# Allegro board 038RT-9068CJK8E-A100_0921_1.brd (continued)
## Routing (per net, layer and track width the routed paths; a pad name or vN(x,y) marks a point on that pad's centre or on a via; arc(x,y) is an arc through that point) (continued)
SH01_P6_ISOLATEB: length 71.6
  L11_SIGNAL w0.105: K220.2 256.35,54.94 256.35,58.37 255.1,59.61 217.92,59.61 216.98,58.67 216.98,51.56 213.88,48.46 207.06,48.46 v2(206.48,47.88)
  BOTTOM w0.115: K220.2 256.45,52.27 256.45,49.41 257.62,48.24 RS104.2
SH01_P6_LANWAKEB: length 15.4
  L11_SIGNAL w0.105: K212.2 203.33,45.95 207.14,45.95 v2(207.75,45.34)
SH01_P6_PCIE_RESETB: length 71.3
  TOP w0.115: v2(203.56,44.07) 208.57,39.05 214.42,39.05 215.14,38.33 HOST1.14
  L11_SIGNAL w0.102: 223.28,45.72 222.28,44.73 214.35,44.73
  L11_SIGNAL w0.105: 223.28,45.72 223.83,46.28 228.71,46.28 229.5,47.07 244.77,47.07 246.31,48.6 246.31,53.71 247.26,54.66 250.42,54.66 K221.2 ; v2(203.56,44.07) 204.29,43.33 206.33,43.33 207.73,44.73 214.35,44.73
SH01_P6_REFCLK_100M+: length 172.4
  TOP w0.105: v2(221.25,48.82) 221.1,48.67 221.1,46.77 219.86,45.52 HOST1.61
  L03_SIGNAL w0.136: v1(224.1,196.15) 224.16,196.09 arc(224.21,196.06) 224.26,196.05 225.88,196.05 arc(226.14,196) 226.36,195.85 226.93,195.28 arc(227.08,195.06) 227.13,194.8 227.13,189.73 arc(227.14,189.66) 227.19,189.6 arc(227.38,189.31) 227.44,188.98 227.44,188.57 arc(227.39,188.28) 227.22,188.04 226.78,187.6 arc(226.73,187.53) 226.72,187.44 226.72,178.37 arc(226.73,178.28) 226.78,178.21 238.18,166.81 arc(238.32,166.59) 238.38,166.33 238.38,74.91 arc(238.32,74.65) 238.18,74.43 221.16,57.42 arc(221.11,57.35) 221.1,57.26 221.1,49.19 arc(221.14,48.99) v2(221.25,48.82)
  BOTTOM w0.105: K214.38 227.05,192.81 226.53,192.81 226.35,192.99 226.35,194.69 226.35,195.07 225.37,196.05 224.2,196.05 v1(224.1,196.15)
SH01_P6_REFCLK_100M-: length 172.4
  TOP w0.105: HOST1.62 219.46,45.78 220.64,46.96 220.64,48.67 v2(220.49,48.82)
  L03_SIGNAL w0.136: v1(224.1,195.49) 224.16,195.55 arc(224.21,195.59) 224.26,195.6 225.88,195.6 arc(225.97,195.58) 226.04,195.53 226.61,194.96 arc(226.66,194.89) 226.68,194.8 226.68,189.73 arc(226.73,189.49) 226.87,189.28 arc(226.96,189.14) 226.99,188.98 226.99,188.57 arc(226.97,188.46) 226.9,188.36 226.46,187.92 arc(226.32,187.7) 226.26,187.44 226.26,178.37 arc(226.32,178.11) 226.46,177.89 237.86,166.49 arc(237.91,166.42) 237.92,166.33 237.92,74.91 arc(237.91,74.83) 237.86,74.75 229.7,66.6 arc(229.61,66.54) 229.5,66.52 229.48,66.52 arc(229.33,66.49) 229.2,66.4 229.03,66.23 arc(228.94,66.1) 228.91,65.95 228.91,65.93 arc(228.89,65.82) 228.83,65.73 228.55,65.44 arc(228.46,65.38) 228.35,65.36 228.32,65.36 arc(228.18,65.33) 228.06,65.25 227.87,65.06 arc(227.79,64.94) 227.76,64.8 227.76,64.77 arc(227.74,64.67) 227.68,64.58 227.4,64.29 arc(227.31,64.23) 227.2,64.21 227.17,64.21 arc(227.04,64.18) 226.92,64.11 226.71,63.89 arc(226.64,63.78) 226.61,63.65 226.61,63.62 arc(226.59,63.51) 226.53,63.42 226.24,63.14 arc(226.15,63.08) 226.05,63.06 226.02,63.06 arc(225.83,63.02) 225.67,62.91 225.6,62.84 arc(225.49,62.68) 225.46,62.49 225.46,62.47 arc(225.43,62.36) 225.37,62.27 225.09,61.99 arc(225,61.92) 224.89,61.9 224.87,61.9 arc(224.7,61.87) 224.57,61.78 224.42,61.64 arc(224.33,61.5) 224.3,61.34 224.3,61.31 arc(224.28,61.21) 224.22,61.12 223.94,60.83 arc(223.85,60.77) 223.74,60.75 223.71,60.75 arc(223.56,60.72) 223.42,60.63 223.27,60.48 arc(223.18,60.34) 223.15,60.19 223.15,60.16 arc(223.13,60.05) 223.07,59.96 220.84,57.74 arc(220.7,57.52) 220.64,57.26 220.64,49.19 arc(220.6,48.99) v2(220.49,48.82)
  BOTTOM w0.105: v1(224.1,195.49) 224.2,195.59 225.17,195.59 225.88,194.88 225.88,192.8 226.34,192.34 227.05,192.34 K214.37
SH01_RSET: length 1.3
  TOP w0.115: v2(225.54,44.18) 224.89,43.53 HOST1.51
SH01_RST_INPIN: length 9.1
  TOP w0.115: HOST1.3 214.8,42.73 213.34,44.2 213.34,47.85 v2(211.85,49.33)
SH01_SJTCLK: length 49.5
  L05_SIGNAL w0.105: v2(211.56,47.88) 211.56,48.28 210.7,49.14 199.53,49.14 191.56,41.16 191.56,24.3 188.82,21.56 v2(188.82,16.9)
SH01_SJTDI: length 49.1
  L05_SIGNAL w0.105: v2(191.36,16.9) 194.45,19.99 194.45,42.67 200.25,48.47 210.57,48.47 210.93,48.1 210.93,45.97 v2(211.56,45.34)
SH01_SJTDO/LED0: length 38.3
  L05_SIGNAL w0.105: v2(209.02,45.34) 208.39,45.96 200.69,45.96 197.21,42.49 197.21,18.81 v2(196.44,18.03)
SH01_SJTMS: length 41.8
  L05_SIGNAL w0.105: v2(209.02,47.88) 208.42,47.28 200.57,47.28 196.06,42.76 196.06,19.06 v2(193.9,16.9)
SH01_SPICK: length 54.5
  TOP w0.115: v2(217.78,27.05) 216.44,28.4 216.44,33.58 217.46,34.6 HOST1.19 ; SPIH11.6 190.08,25.86 v2(190.09,25.85)
  L03_SIGNAL w0.145: v2(190.09,25.85) 191.57,25.85 191.92,25.5 191.92,24.73 191.49,24.29 189.33,24.29 188.99,23.95 188.99,23.41 189.3,23.1 194.19,23.1 197.15,20.14 213.67,20.14 217.78,24.26 v2(217.78,27.05)
SH01_SPICK_DBG: length 12.1
  BOTTOM w0.115: RH1192.2 224.38,18.73 223.74,19.37 221.2,19.37 217.78,22.79 RH119.1
SH01_SPICS: length 54.5
  TOP w0.115: HOST1.24 219.46,33.55 218.98,33.07 218.98,28.4 v2(220.32,27.05) ; SPIH11.1 192.63,47.49 v2(192.36,47.76)
  L03_SIGNAL w0.145: v2(192.36,47.76) 202.41,37.7 207.72,37.7 214.82,30.6 215.8,30.6 216.59,29.82 217.56,29.82 v2(220.32,27.05)
SH01_SPICS_DBG: length 14.2
  BOTTOM w0.115: RH1243.2 226.85,20.64 222.47,20.64 220.32,22.79 RH1241.1
SH01_SPIO2: length 54.5
  TOP w0.115: SPIH11.3 190.09,47.75 v2(190.09,47.76) ; v2(217.78,30.86) 217.07,31.57 217.07,33.45 218.26,34.64 HOST1.21
  L03_SIGNAL w0.145: v2(190.09,47.76) 191.14,48.81 194.68,48.81 197.22,46.27 197.22,44.84 200.17,41.89 213.07,41.89 215.73,39.24 215.73,37.93 217.23,36.44 217.23,33.94 216.83,33.54 216.83,31.82 v2(217.78,30.86)
SH01_SPIO3: length 54.5
  TOP w0.115: HOST1.22 218.66,34.27 217.78,33.4 v2(217.78,32.13) ; v2(191.36,21.09) 191.35,21.09 SPIH11.7
  L03_SIGNAL w0.145: v2(217.78,32.13) 220.95,28.97 220.95,25.74 214.32,19.12 196.7,19.12 193.6,22.22 191.9,22.22 191.36,21.67 v2(191.36,21.09)
SH01_SPISI: length 54.5
  TOP w0.115: HOST1.18 217.06,34.96 215.8,33.71 215.8,27.76 v2(216.51,27.05) ; SPIH11.5 188.81,25.86 v2(188.82,25.85)
  L03_SIGNAL w0.145: v2(216.51,27.05) 216.51,25.19 212.61,21.29 198.19,21.29 193.94,25.54 193.94,29.45 192.99,30.4 189.53,30.4 188.82,29.69 v2(188.82,25.85)
SH01_SPISI_DBG: length 10.4
  BOTTOM w0.115: RH118.1 216.51,22.79 221.26,18.03 RH1182.2
SH01_SPISO: length 54.5
  TOP w0.115: HOST1.23 219.06,33.91 218.41,33.27 218.41,27.69 v2(219.05,27.05) ; SPIH11.2 191.36,43.05 v2(191.35,43.06)
  L03_SIGNAL w0.145: v2(191.35,43.06) 193.14,43.06 193.84,42.35 193.84,40.53 191.19,37.87 191.19,36.4 192.21,35.38 206.43,35.38 213.34,28.47 217.63,28.47 v2(219.05,27.05)
SH01_SPISO_DBG: length 13
  BOTTOM w0.115: RH123.1 219.05,22.79 221.84,20 224.95,20 RH1232.2
SH01_SWR_5TO1_OUT: length 2.7
  TOP w0.3: v2(213.34,37.47) 213.4,37.53 HOST1.16
  vias: v2(212.07,37.47) v2(212.07,36.19) v2(213.34,36.19)
SH01_TESTENPIN: length 9.8
  TOP w0.115: HOST1.7 214.56,41.13 213.53,42.16 212.51,42.16 210.61,44.07 v2(210.29,44.07)
  BOTTOM w0.115: RH171.2 210.92,45.76 210.92,44.7 210.42,44.2 RH172.2
SH01_USB_AVDD10: length 33.5
  TOP w0.292: 225.23,37.53 HOST1.36
  TOP w0.3: HOST1.50 225.32,43.13 v2(225.54,42.91) ; v2(225.54,39.48) 225.19,39.13 HOST1.40
  TOP w0.381: 225.5,37.53 225.23,37.53
  TOP w0.508: 225.5,37.53 226.82,37.53 227.32,38.03 227.32,38.79 227.83,39.3 v2(228.18,39.3) 228.32,39.43 230.34,39.43 240.41,29.36 240.41,22.51 242.16,20.77 SH01_USB_AVDD10.1
SH01_XTAL_IN: length 6.4
  TOP w0.115: v2(226.22,47.5) 224.83,46.1 223.88,46.1 223.06,45.28 HOST1.53
  BOTTOM w0.115: YH11.3 226.22,48.29 v2(226.22,47.5)
SH01_XTAL_OUT: length 9.4
  TOP w0.115: HOST1.54 222.66,45.64 223.75,46.74 224.43,46.74 v2(225.19,47.5)
  BOTTOM w0.115: v2(225.19,47.5) 225.19,47.76 224.82,48.13 223.93,48.13 223.42,48.64 223.42,49.15 224.45,50.18 YH11.1
SH02_C_HSO+: length 4.1
  TOP w0.14: HOST2.68 279.07,44.56 279.07,45.12 277.74,46.44 277.74,47.62
  TOP w0.15: CH268.2 277.6,47.76 277.74,47.62
SH02_C_HSO-: length 4.1
  TOP w0.14: 278.13,47.62 278.13,46.6 279.46,45.28 279.46,44.55 HOST2.67
  TOP w0.15: 278.13,47.62 278.27,47.76 CH267.2
SH02_C_P7_HSI+: length 5.2
  BOTTOM w0.14: K213.29 249.22,188.27 247.89,188.27 247.64,188.02 244.68,188.02 244.54,188.16 CS114.1
SH02_C_P7_HSI-: length 5.2
  BOTTOM w0.14: CS113.1 244.54,187.49 244.68,187.63 247.8,187.63 248.05,187.88 249.22,187.88 K213.28
SH02_CC1: length 7.2
  TOP w0.115: HOST2.30 283.86,35.37 284.74,34.49 286.83,34.49 288.52,32.8 v2(288.52,32.11)
SH02_CC2: length 7.3
  TOP w0.115: v2(289.79,32.11) 289.79,32.29 287.05,35.03 284.96,35.03 284.66,35.32 HOST2.32
SH02_D_GPIO_VBUS: length 13.5
  TOP w0.115: HOST2.28 283.06,33.29 283.36,33 283.36,29.69 286,27.05 v2(286.65,27.05)
  L40_SIGNAL w0.105: v2(286.65,24.51) v2(286.65,27.05)
SH02_D_SJTCLK: length 7.6
  TOP w0.115: v2(273.57,46.61) 274.08,46.61 274.71,45.97 274.71,43.88 275.41,43.18 275.79,43.18 277.04,41.93 HOST2.5
SH02_D_SJTDI: length 5.5
  TOP w0.115: v2(273.57,44.07) 274.97,42.67 275.66,42.67 276.81,41.53 HOST2.6
SH02_D_SJTDO: length 8.8
  TOP w0.115: HOST2.9 277.43,40.33 277.38,40.39 276.05,40.39 275.28,41.15 273.63,41.15 271.03,43.75 v2(271.03,44.07)
SH02_D_SJTMS: length 10.6
  TOP w0.115: v2(271.03,46.61) 271.72,45.92 271.72,43.92 273.99,41.66 275.41,41.66 276.34,40.73 HOST2.8
SH02_DEV_SLP: length 15.3
  BOTTOM w0.115: RH2263.2 290.77,21.27 285.43,21.27 284.36,22.34 284.36,25.15 RH2262.2
SH02_DIS_DB: length 1.3
  TOP w0.115: HOST2.29 283.46,36.88 v2(283.12,37.22)
SH2_DPS_5V0: length 55.7
  TOP w0.254: UNK2HOST1.33 283.46,439.37 283.62,439.22 283.99,439.22 v2(284.26,438.95) ; v2(222.25,438.95) 221.98,439.22 221.61,439.22 221.45,439.37 UNK2HOST2.33
  TOP w0.3: UNK2HOST1.31 v2(284.26,438.95) ; UNK2HOST1.17 290.57,439.04 290.78,439.26 290.78,439.77 v2(290.57,439.98) ; UNK2HOST1.17 290.48,439.88 v2(290.57,439.98) ; UNK2HOST1.17 290.38,439.04 290.17,439.26 290.17,439.68 290.47,439.98 v2(290.57,439.98) ; UNK2HOST2.17 228.56,439.04 228.77,439.26 228.77,439.77 v2(228.56,439.98) ; UNK2HOST2.17 228.47,439.88 v2(228.56,439.98) ; UNK2HOST2.17 228.37,439.04 228.16,439.26 228.16,439.68 228.46,439.98 v2(228.56,439.98) ; UNK2HOST2.31 v2(222.25,438.95)
  TOP w0.508: SH22_DPS_5V0.1 220.11,455.85 218.3,454.04 218.3,448.84 220.83,446.32 220.83,444.9 v2(221.66,444.06) ; v2(283.67,444.06) 282.84,444.9 282.84,446.32 280.31,448.84 280.31,454.04 282.12,455.85 SH21_DPS_5V0.1
  vias: v2(229.38,442.98) v2(229.38,442.21) v2(260.94,458.97) v2(260.94,457.95) v2(261.96,458.97) v2(261.96,457.95) v2(291.39,442.98) v2(291.39,442.21)
SH02_GPIO8: length 35.1
  L05_SIGNAL w0.105: v2(257.17,18.03) 257.17,39.25 262.59,44.67 267.82,44.67 v2(268.49,45.34)
SH02_GPIO_VBUS: length 18.7
  L05_SIGNAL w0.105: v2(286.65,25.78) 278.89,25.78 v2(271.14,18.03)
SH02_ISOLATEBPIN: length 14
  TOP w0.115: HOST2.12 277.36,39.13 276.81,39.69 275.47,39.69 275.03,40.13 272.74,40.13 269.16,43.72 269.16,45.94 v2(268.49,46.61)
SH02_L_SWR_5TO1_OUT: length 29.1
  TOP w0.203: v2(276.89,45.34) 276.63,45.34 276.26,44.97 276.26,43.99 277.12,43.13 HOST2.2
  TOP w0.3: HOST2.25 v2(281.86,37.22) ; v2(287.55,36.69) 287.19,36.69 286.75,37.13 HOST2.35 ; HOST2.60 282.26,45.27 282.59,45.59 v2(282.84,45.59) ; HOST2.55 284.26,45.31 v2(283.98,45.59) ; v2(281.32,46.35) 281.06,46.1 HOST2.63 ; HOST2.11 v2(279.16,39.53)
  TOP w0.508: SH02_L_SWR_5TO1_OUT.1 258.8,36.68 263.62,41.5 265.86,41.5 v2(266.86,40.5)
  BOTTOM w0.292: CH2352.1 v2(287.55,36.69)
  BOTTOM w0.508: CH2602.1 282.6,45.83 v2(282.84,45.59) ; CH2552.1 283.84,45.73 v2(283.98,45.59)
  vias: v2(266.86,39.74) v2(276.36,27.5) v2(281.94,55.25) v2(281.94,54.48) v2(290.79,34.54) v2(298.85,45.5) v2(300.12,45.5) v2(301.39,45.5)
SH02_LANWAKEB: length 13.9
  TOP w0.115: v2(269.76,44.07) 270.27,43.56 273.19,40.64 275.16,40.64 275.79,40 277.24,40 277.32,39.93 HOST2.10
  BOTTOM w0.115: RH2103.2 269.12,45.76 269.12,44.7 268.62,44.2 ; 268.62,44.2 RH2102.2 ; 268.62,44.2 RH2101.2
SH02_LDO_5TO3_OUT: length 21.8
  TOP w0.203: v2(276.89,44.2) 277.55,43.53 HOST2.1
  TOP w0.3: v2(287.55,38.34) 287.55,38.43 287.25,38.73 HOST2.39 ; HOST2.52 v2(285.46,43.44) ; HOST2.20 v2(279.86,37.22) ; HOST2.4 v2(279.16,42.33) ; HOST2.34 285.46,37.17 v2(285.41,37.22)
  TOP w0.508: SH02_LDO_5TO3_OUT.1 271.14,20.96 274.04,23.85 274.04,30.36 274.4,30.72 275.36,30.72 v2(276.36,29.72)
  BOTTOM w0.508: CH252.1 v2(285.46,43.44)
  vias: v2(263.41,44.07) v2(264.17,44.07) v2(265.57,45.34) v2(267.09,45.34) v2(269.76,47.88) v2(272.3,47.88) v2(273.86,50.76) v2(277.49,53.34) v2(283.6,23.24) v2(285.13,23.24) v2(286.65,23.24) v2(286.88,32.11) v2(290.79,36.57)
SH02_LED1: length 16.3
  BOTTOM w0.115: RH2272.2 285.89,25.15 285.89,22.4 286.38,21.91 292.67,21.91 RH2273.2
SH02_P7_CLKREQB: length 102.3
  TOP w0.115: v2(267.09,44.07) 271.54,39.62 274.97,39.62 275.22,39.37 276.62,39.37 277.26,38.73 HOST2.13
  L11_SIGNAL w0.102: 225.78,42.37 223.24,42.37 222.01,43.6 216.91,43.6 216.08,42.77
  L11_SIGNAL w0.105: 216.08,42.77 200.01,42.77 193.73,49.06 188.92,49.06 187.74,50.23 187.74,52.13 K211.7 ; v2(267.09,44.07) 266.18,43.15 260.41,43.15 259.29,42.04 249.39,42.04 247.88,43.54 230.18,43.54 229.01,42.37 225.78,42.37
SH02_P7_HSI+: length 160.9
  TOP w0.14: v1(243.53,188.41) 243.74,188.2 arc(243.94,188.07) 244.19,188.02 244.56,188.02 arc(244.69,187.99) 244.8,187.92 arc(244.97,187.8) 245.17,187.76 247.08,187.76 arc(247.35,187.71) 247.58,187.56 248.85,186.29 arc(249,186.06) 249.06,185.79 249.06,177.15 arc(249.08,177.03) 249.15,176.93 266.19,159.88 266.52,159.75 266.52,73.88 arc(266.74,72.75) 267.37,71.8 279.48,59.69 arc(279.64,59.46) 279.69,59.2 279.69,51.84 arc(279.71,51.72) 279.78,51.62 280.45,50.95 arc(280.61,50.72) 280.66,50.45 280.66,44.56 HOST2.64
SH02_P7_HSI-: length 160.7
  TOP w0.14: HOST2.65 280.27,44.56 280.27,50.45 arc(280.25,50.57) 280.18,50.67 279.5,51.35 arc(279.35,51.58) 279.3,51.84 279.3,59.2 arc(279.28,59.32) 279.21,59.42 276.33,62.29 arc(276.23,62.36) 276.12,62.38 276.09,62.38 arc(275.94,62.41) 275.82,62.49 arc(275.74,62.62) 275.71,62.76 275.71,62.79 arc(275.69,62.91) 275.62,63 275.54,63.09 arc(275.44,63.15) 275.33,63.17 275.3,63.17 arc(275.15,63.2) 275.03,63.29 arc(274.95,63.41) 274.92,63.56 274.92,63.58 arc(274.89,63.7) 274.83,63.79 274.75,63.88 arc(274.65,63.94) 274.53,63.97 274.51,63.97 arc(274.37,63.99) 274.25,64.07 274.23,64.09 arc(274.15,64.21) 274.12,64.35 274.12,64.38 arc(274.1,64.49) 274.04,64.59 273.95,64.67 arc(273.86,64.73) 273.74,64.76 273.71,64.76 arc(273.58,64.78) 273.46,64.86 273.44,64.88 arc(273.36,65) 273.33,65.14 273.33,65.17 arc(273.31,65.28) 273.25,65.38 273.16,65.46 arc(273.07,65.53) 272.95,65.55 272.92,65.55 arc(272.78,65.58) 272.65,65.66 arc(272.57,65.79) 272.54,65.93 272.54,65.96 arc(272.52,66.07) 272.45,66.17 267.1,71.53 arc(266.38,72.6) 266.13,73.88 266.13,159.27 arc(266.1,159.39) 266.03,159.49 248.87,176.65 arc(248.72,176.88) 248.67,177.15 248.67,185.79 arc(248.64,185.91) 248.58,186.01 247.3,187.28 arc(247.2,187.35) 247.08,187.37 244.99,187.37 arc(244.81,187.41) 244.66,187.51 arc(244.53,187.6) 244.38,187.63 244.19,187.63 arc(243.94,187.58) 243.74,187.44 v1(243.53,187.24)
SH02_P7_HSO+: length 154.3
  TOP w0.14: v1(246.31,185.49) 246.39,185.57 arc(246.45,185.61) 246.53,185.63 246.75,185.63 arc(246.87,185.58) 246.91,185.46 246.91,176.42 arc(246.97,176.15) 247.12,175.93 264.13,158.92 arc(264.2,158.81) 264.22,158.7 264.22,71.45 arc(264.46,70.24) 265.15,69.21 270.85,63.51 arc(270.91,63.41) 270.94,63.3 270.94,63.27 arc(270.97,63.12) 271.05,63 271.05,63 arc(271.17,62.91) 271.32,62.89 271.35,62.89 arc(271.46,62.86) 271.56,62.8 271.64,62.71 arc(271.71,62.62) 271.73,62.5 271.73,62.48 arc(271.76,62.34) 271.84,62.22 271.86,62.2 arc(271.97,62.12) 272.11,62.09 272.14,62.09 arc(272.25,62.07) 272.35,62.01 272.43,61.92 arc(272.5,61.83) 272.52,61.71 272.52,61.68 arc(272.55,61.54) 272.63,61.42 272.64,61.41 arc(272.76,61.33) 272.9,61.3 272.93,61.3 arc(273.05,61.28) 273.14,61.21 273.23,61.13 arc(273.29,61.03) 273.31,60.92 273.31,60.89 arc(273.34,60.75) 273.43,60.62 arc(273.55,60.54) 273.7,60.51 273.72,60.51 arc(273.84,60.49) 273.94,60.42 274.02,60.34 arc(274.08,60.24) 274.11,60.13 274.11,60.1 arc(274.13,59.95) 274.22,59.83 arc(274.34,59.75) 274.49,59.72 274.52,59.72 arc(274.63,59.69) 274.73,59.63 274.97,59.39 arc(275.03,59.29) 275.06,59.17 275.06,53.14 arc(275.11,52.87) 275.26,52.64 277.65,50.25 arc(277.72,50.15) 277.74,50.03 277.74,49.39 arc(277.7,49.16) 277.57,48.96 CH268.1
  BOTTOM w0.14: v1(246.31,185.49) 246.45,185.63 246.93,185.63 248.18,186.88 249.22,186.88 K213.26
SH02_P7_HSO-: length 154.3
  TOP w0.14: v1(246.31,186.15) 246.39,186.08 arc(246.45,186.03) 246.53,186.02 246.75,186.02 arc(247.14,185.85) 247.3,185.46 247.3,176.42 arc(247.33,176.3) 247.39,176.2 264.4,159.19 arc(264.56,158.96) 264.61,158.7 264.61,71.45 arc(264.82,70.39) 265.42,69.48 275.24,59.67 arc(275.39,59.44) 275.45,59.17 275.45,53.14 arc(275.47,53.02) 275.54,52.92 277.93,50.53 arc(278.08,50.3) 278.13,50.03 278.13,49.39 arc(278.18,49.16) 278.31,48.96 CH267.1
  BOTTOM w0.14: v1(246.31,186.15) 246.45,186.02 246.76,186.02 248.01,187.27 249.22,187.27 K213.27
SH02_P7_ISOLATEB: length 24.4
  L11_SIGNAL w0.105: v2(268.49,47.88) 268.36,48.01 260.4,48.01 259.25,49.16 256.36,49.16 255.91,49.62 255.91,52.18 K220.7
  BOTTOM w0.115: K220.7 255.84,52.25 255.84,48.9 256.49,48.24 RS114.2
SH02_P7_LANWAKEB: length 95.3
  L11_SIGNAL w0.105: v2(269.76,45.34) 269.12,45.97 269.12,48.69 268.92,48.9 265.79,48.9 263.43,51.26 263.43,59.74 262.62,60.55 195.55,60.55 194.18,59.19 194.18,55.22 K212.7
SH02_P7_PCIE_RESETB: length 38.7
  TOP w0.115: HOST2.14 277.15,38.33 276.43,39.05 270.58,39.05 v2(265.57,44.07)
  L11_SIGNAL w0.105: K221.7 249.86,52.02 249.86,47.37 250.69,46.54 257.88,46.54 259.83,44.6 265.03,44.6 v2(265.57,44.07)
SH02_P7_REFCLK_100M+: length 200
  TOP w0.105: HOST2.61 281.86,45.52 283.11,46.77 283.11,48.67 v2(283.26,48.82)
  L03_SIGNAL w0.136: v1(222.32,194.15) 222.38,194.09 arc(222.43,194.06) 222.49,194.05 222.71,194.05 222.78,194.12 222.78,194.46 arc(222.76,194.55) 222.71,194.62 222.22,195.12 arc(222.07,195.34) 222.02,195.6 222.02,196.86 arc(222.07,197.12) 222.22,197.34 223.15,198.28 arc(223.37,198.42) 223.63,198.47 229.3,198.47 arc(229.56,198.42) 229.78,198.28 230.99,197.07 arc(231.14,196.85) 231.19,196.59 231.19,184.78 arc(231.21,184.69) 231.26,184.61 arc(231.44,184.34) 231.5,184.04 231.5,182.15 arc(231.51,182.07) 231.56,181.99 243.08,170.48 arc(243.15,170.43) 243.24,170.41 253.03,170.41 arc(253.29,170.36) 253.51,170.21 264.41,159.31 arc(264.56,159.09) 264.61,158.83 264.61,80.72 arc(264.63,80.63) 264.68,80.56 275.39,69.85 arc(275.53,69.63) 275.59,69.37 275.59,64.97 arc(275.6,64.91) 275.63,64.87 282.73,57.76 arc(283.02,57.33) 283.12,56.81 283.12,49.22 arc(283.12,49.19) 283.12,49.15 arc(283.12,49.15) 283.12,49.15 arc(283.13,49.08) 283.14,49.01 v2(283.26,48.82)
  BOTTOM w0.105: v1(222.32,194.15) 222.42,194.05 223.98,194.05 226.23,191.81 227.05,191.81 K214.36
SH02_P7_REFCLK_100M-: length 200
  TOP w0.105: v2(282.5,48.82) 282.65,48.67 282.65,46.96 281.46,45.78 HOST2.62
  L03_SIGNAL w0.136: v1(222.32,193.49) 222.38,193.55 arc(222.43,193.59) 222.49,193.6 222.74,193.6 arc(222.89,193.62) 223.01,193.71 223.13,193.83 arc(223.2,193.94) 223.23,194.08 223.23,194.46 arc(223.18,194.72) 223.03,194.94 222.54,195.44 arc(222.49,195.51) 222.47,195.6 222.47,196.86 arc(222.49,196.95) 222.54,197.02 223.47,197.96 arc(223.54,198.01) 223.63,198.02 229.3,198.02 arc(229.39,198.01) 229.46,197.96 230.67,196.75 arc(230.72,196.67) 230.74,196.59 230.74,184.63 arc(230.76,184.51) 230.83,184.4 230.94,184.29 arc(231.02,184.18) 231.05,184.04 231.04,182.15 arc(231.1,181.89) 231.24,181.67 242.76,170.16 arc(242.98,170.01) 243.24,169.96 253.03,169.96 arc(253.12,169.94) 253.19,169.89 264.09,158.99 arc(264.14,158.91) 264.16,158.83 264.16,80.72 arc(264.21,80.46) 264.36,80.24 269.31,75.29 arc(269.37,75.2) 269.39,75.09 269.39,75.07 arc(269.42,74.93) 269.5,74.81 269.51,74.8 arc(269.62,74.72) 269.76,74.69 269.79,74.69 arc(269.89,74.67) 269.98,74.61 270.08,74.52 arc(270.14,74.43) 270.16,74.32 270.16,74.3 arc(270.18,74.18) 270.25,74.08 270.32,74.01 arc(270.41,73.95) 270.53,73.93 270.56,73.93 arc(270.66,73.9) 270.75,73.84 270.85,73.75 arc(270.91,73.66) 270.93,73.55 270.93,73.53 arc(271.04,73.26) 271.3,73.16 271.33,73.16 arc(271.43,73.13) 271.52,73.08 271.62,72.98 arc(271.68,72.89) 271.7,72.78 271.7,72.76 arc(271.72,72.63) 271.8,72.52 271.83,72.49 arc(271.94,72.41) 272.07,72.39 272.1,72.39 arc(272.2,72.37) 272.29,72.31 272.39,72.21 arc(272.45,72.12) 272.47,72.02 272.47,71.99 arc(272.49,71.85) 272.57,71.73 272.58,71.72 arc(272.7,71.65) 272.84,71.62 272.86,71.62 arc(272.97,71.6) 273.06,71.54 273.15,71.44 arc(273.21,71.35) 273.24,71.25 273.24,71.22 arc(273.26,71.08) 273.34,70.96 arc(273.47,70.88) 273.61,70.85 273.63,70.85 arc(273.74,70.83) 273.83,70.77 275.07,69.53 arc(275.12,69.46) 275.13,69.37 275.13,64.97 arc(275.18,64.74) 275.31,64.55 282.41,57.44 arc(282.6,57.16) 282.67,56.82 282.67,49.22 arc(282.66,49.13) 282.64,49.04 282.51,48.83 v2(282.5,48.82)
  BOTTOM w0.105: v1(222.32,193.49) 222.42,193.59 223.79,193.59 226.04,191.34 227.05,191.34 K214.35
SH02_RSET: length 1.3
  TOP w0.115: v2(287.55,44.18) 286.9,43.53 HOST2.51
SH02_RST_INPIN: length 9.1
  TOP w0.115: v2(273.86,49.33) 275.35,47.85 275.35,44.2 276.81,42.73 HOST2.3
SH02_SJTCLK: length 51.3
  L05_SIGNAL w0.102: 272.76,49.13 273.57,48.32 v2(273.57,47.88)
  L05_SIGNAL w0.105: v2(247.01,16.9) 247.01,34.97 261.17,49.13 272.76,49.13
SH02_SJTDI: length 50.7
  L05_SIGNAL w0.105: v2(249.55,16.9) 249.55,35.67 262.36,48.47 272.64,48.47 272.93,48.17 272.93,45.97 v2(273.57,45.34)
SH02_SJTDO/LED0: length 39.9
  L05_SIGNAL w0.105: v2(271.03,45.34) 270.42,45.95 262.59,45.95 255.79,39.15 255.79,19.19 v2(254.63,18.03)
SH02_SJTMS: length 43.5
  L05_SIGNAL w0.105: v2(271.03,47.88) 270.4,47.25 262.47,47.25 253.96,38.73 253.96,25.06 252.09,23.2 v2(252.09,16.9)
SH02_SPICK: length 54.5
  TOP w0.115: SPIH21.6 252.09,25.86 v2(252.1,25.85) ; v2(279.79,27.05) 278.45,28.4 278.45,33.58 279.46,34.6 HOST2.19
  L03_SIGNAL w0.145: v2(252.1,25.85) 253.58,25.85 253.93,25.5 253.93,24.73 253.49,24.29 251.34,24.29 251,23.95 251,23.41 251.31,23.1 256.2,23.1 259.15,20.14 275.68,20.14 279.79,24.26 v2(279.79,27.05)
SH02_SPICK_DBG: length 12.1
  BOTTOM w0.115: RH219.1 279.79,22.79 283.21,19.37 285.75,19.37 286.38,18.73 RH2192.2
SH02_SPICS: length 54.5
  TOP w0.115: v2(282.33,27.05) 280.99,28.4 280.99,33.07 281.46,33.55 HOST2.24 ; v2(254.36,47.76) 254.64,47.49 SPIH21.1
  L03_SIGNAL w0.145: v2(282.33,27.05) 279.57,29.82 278.6,29.82 277.81,30.6 276.83,30.6 269.73,37.7 264.42,37.7 v2(254.36,47.76)
SH02_SPICS_DBG: length 14.2
  BOTTOM w0.115: RH2241.1 282.33,22.79 284.48,20.64 288.86,20.64 RH2243.2
SH02_SPIO2: length 54.5
  TOP w0.115: v2(279.79,30.86) 279.08,31.57 279.08,33.45 280.26,34.64 HOST2.21 ; v2(252.1,47.76) SPIH21.3
  L03_SIGNAL w0.145: v2(252.1,47.76) 253.15,48.81 256.69,48.81 259.23,46.27 259.23,44.84 262.18,41.89 275.08,41.89 277.74,39.24 277.74,37.93 279.24,36.44 279.24,33.94 278.84,33.54 278.84,31.82 v2(279.79,30.86)
SH02_SPIO3: length 54.5
  TOP w0.115: v2(279.79,32.13) 279.79,33.4 280.66,34.27 HOST2.22 ; v2(253.36,21.09) 253.36,21.09 SPIH21.7
  L03_SIGNAL w0.145: v2(253.36,21.09) 253.36,21.67 253.91,22.22 255.61,22.22 258.71,19.12 276.33,19.12 282.96,25.74 282.96,28.97 v2(279.79,32.13)
SH02_SPISI: length 54.5
  TOP w0.115: v2(250.83,25.85) 250.82,25.86 SPIH21.5 ; HOST2.18 279.06,34.96 277.81,33.71 277.81,27.76 v2(278.52,27.05)
  L03_SIGNAL w0.145: v2(250.83,25.85) 250.83,29.69 251.54,30.4 255,30.4 255.95,29.45 255.95,25.54 260.2,21.29 274.62,21.29 278.52,25.19 v2(278.52,27.05)
SH02_SPISI_DBG: length 10.4
  BOTTOM w0.115: RH2182.2 283.27,18.03 278.52,22.79 RH218.1
SH02_SPISO: length 54.5
  TOP w0.115: v2(253.36,43.06) 253.37,43.05 SPIH21.2 ; v2(281.06,27.05) 280.42,27.69 280.42,33.27 281.06,33.91 HOST2.23
  L03_SIGNAL w0.145: v2(281.06,27.05) 279.64,28.47 275.35,28.47 268.44,35.38 254.22,35.38 253.2,36.4 253.2,37.87 255.85,40.53 255.85,42.35 255.15,43.06 v2(253.36,43.06)
SH02_SPISO_DBG: length 13
  BOTTOM w0.115: RH223.1 281.06,22.79 283.84,20 286.96,20 RH2232.2
SH02_SWR_5TO1_OUT: length 2.7
  TOP w0.3: v2(275.35,37.47) 275.41,37.53 HOST2.16
  vias: v2(274.08,37.47) v2(274.08,36.19) v2(275.35,36.19)
SH02_TESTENPIN: length 9.8
  TOP w0.115: v2(272.3,44.07) 272.62,44.07 274.52,42.16 275.54,42.16 276.57,41.13 HOST2.7
  BOTTOM w0.115: RH271.2 272.93,45.76 272.93,44.7 272.43,44.2 RH272.2
SH02_USB_AVDD10: length 33.5
  TOP w0.292: 287.24,37.53 HOST2.36
  TOP w0.3: HOST2.40 287.2,39.13 v2(287.55,39.48) ; HOST2.50 287.33,43.13 v2(287.55,42.91)
  TOP w0.381: 287.51,37.53 287.24,37.53
  TOP w0.508: SH02_USB_AVDD10.1 304.16,20.77 302.42,22.51 302.42,29.36 292.34,39.43 290.33,39.43 v2(290.19,39.3) 289.84,39.3 289.33,38.79 289.33,38.03 288.83,37.53 287.51,37.53
SH02_XTAL_IN: length 6.4
  TOP w0.115: v2(288.23,47.5) 286.84,46.1 285.89,46.1 285.06,45.28 HOST2.53
  BOTTOM w0.115: v2(288.23,47.5) 288.23,48.29 YH21.3
SH02_XTAL_OUT: length 9.4
  TOP w0.115: HOST2.54 284.66,45.64 285.76,46.74 286.44,46.74 v2(287.2,47.5)
  BOTTOM w0.115: YH21.1 286.46,50.18 285.43,49.15 285.43,48.64 285.94,48.13 286.83,48.13 287.2,47.76 v2(287.2,47.5)
SH3_DPS_5V0: length 55.7
  TOP w0.254: v2(462.04,438.95) 461.78,439.22 461.4,439.22 461.24,439.37 UNK3HOST1.33 ; v2(400.03,438.95) 399.77,439.22 399.39,439.22 399.23,439.37 UNK3HOST2.33
  TOP w0.3: v2(468.36,439.98) 468.26,439.88 UNK3HOST1.17 ; v2(468.36,439.98) 468.56,439.77 468.56,439.26 468.35,439.04 UNK3HOST1.17 ; v2(468.36,439.98) 468.26,439.98 467.96,439.68 467.96,439.26 468.17,439.04 UNK3HOST1.17 ; UNK3HOST1.31 v2(462.04,438.95) ; UNK3HOST2.17 406.16,439.04 405.95,439.26 405.95,439.68 406.25,439.98 v2(406.35,439.98) ; UNK3HOST2.17 406.25,439.88 v2(406.35,439.98) ; UNK3HOST2.17 406.34,439.04 406.55,439.26 406.55,439.77 v2(406.35,439.98) ; UNK3HOST2.31 v2(400.03,438.95)